# Allegro board STARRYSKY.brd (continued)
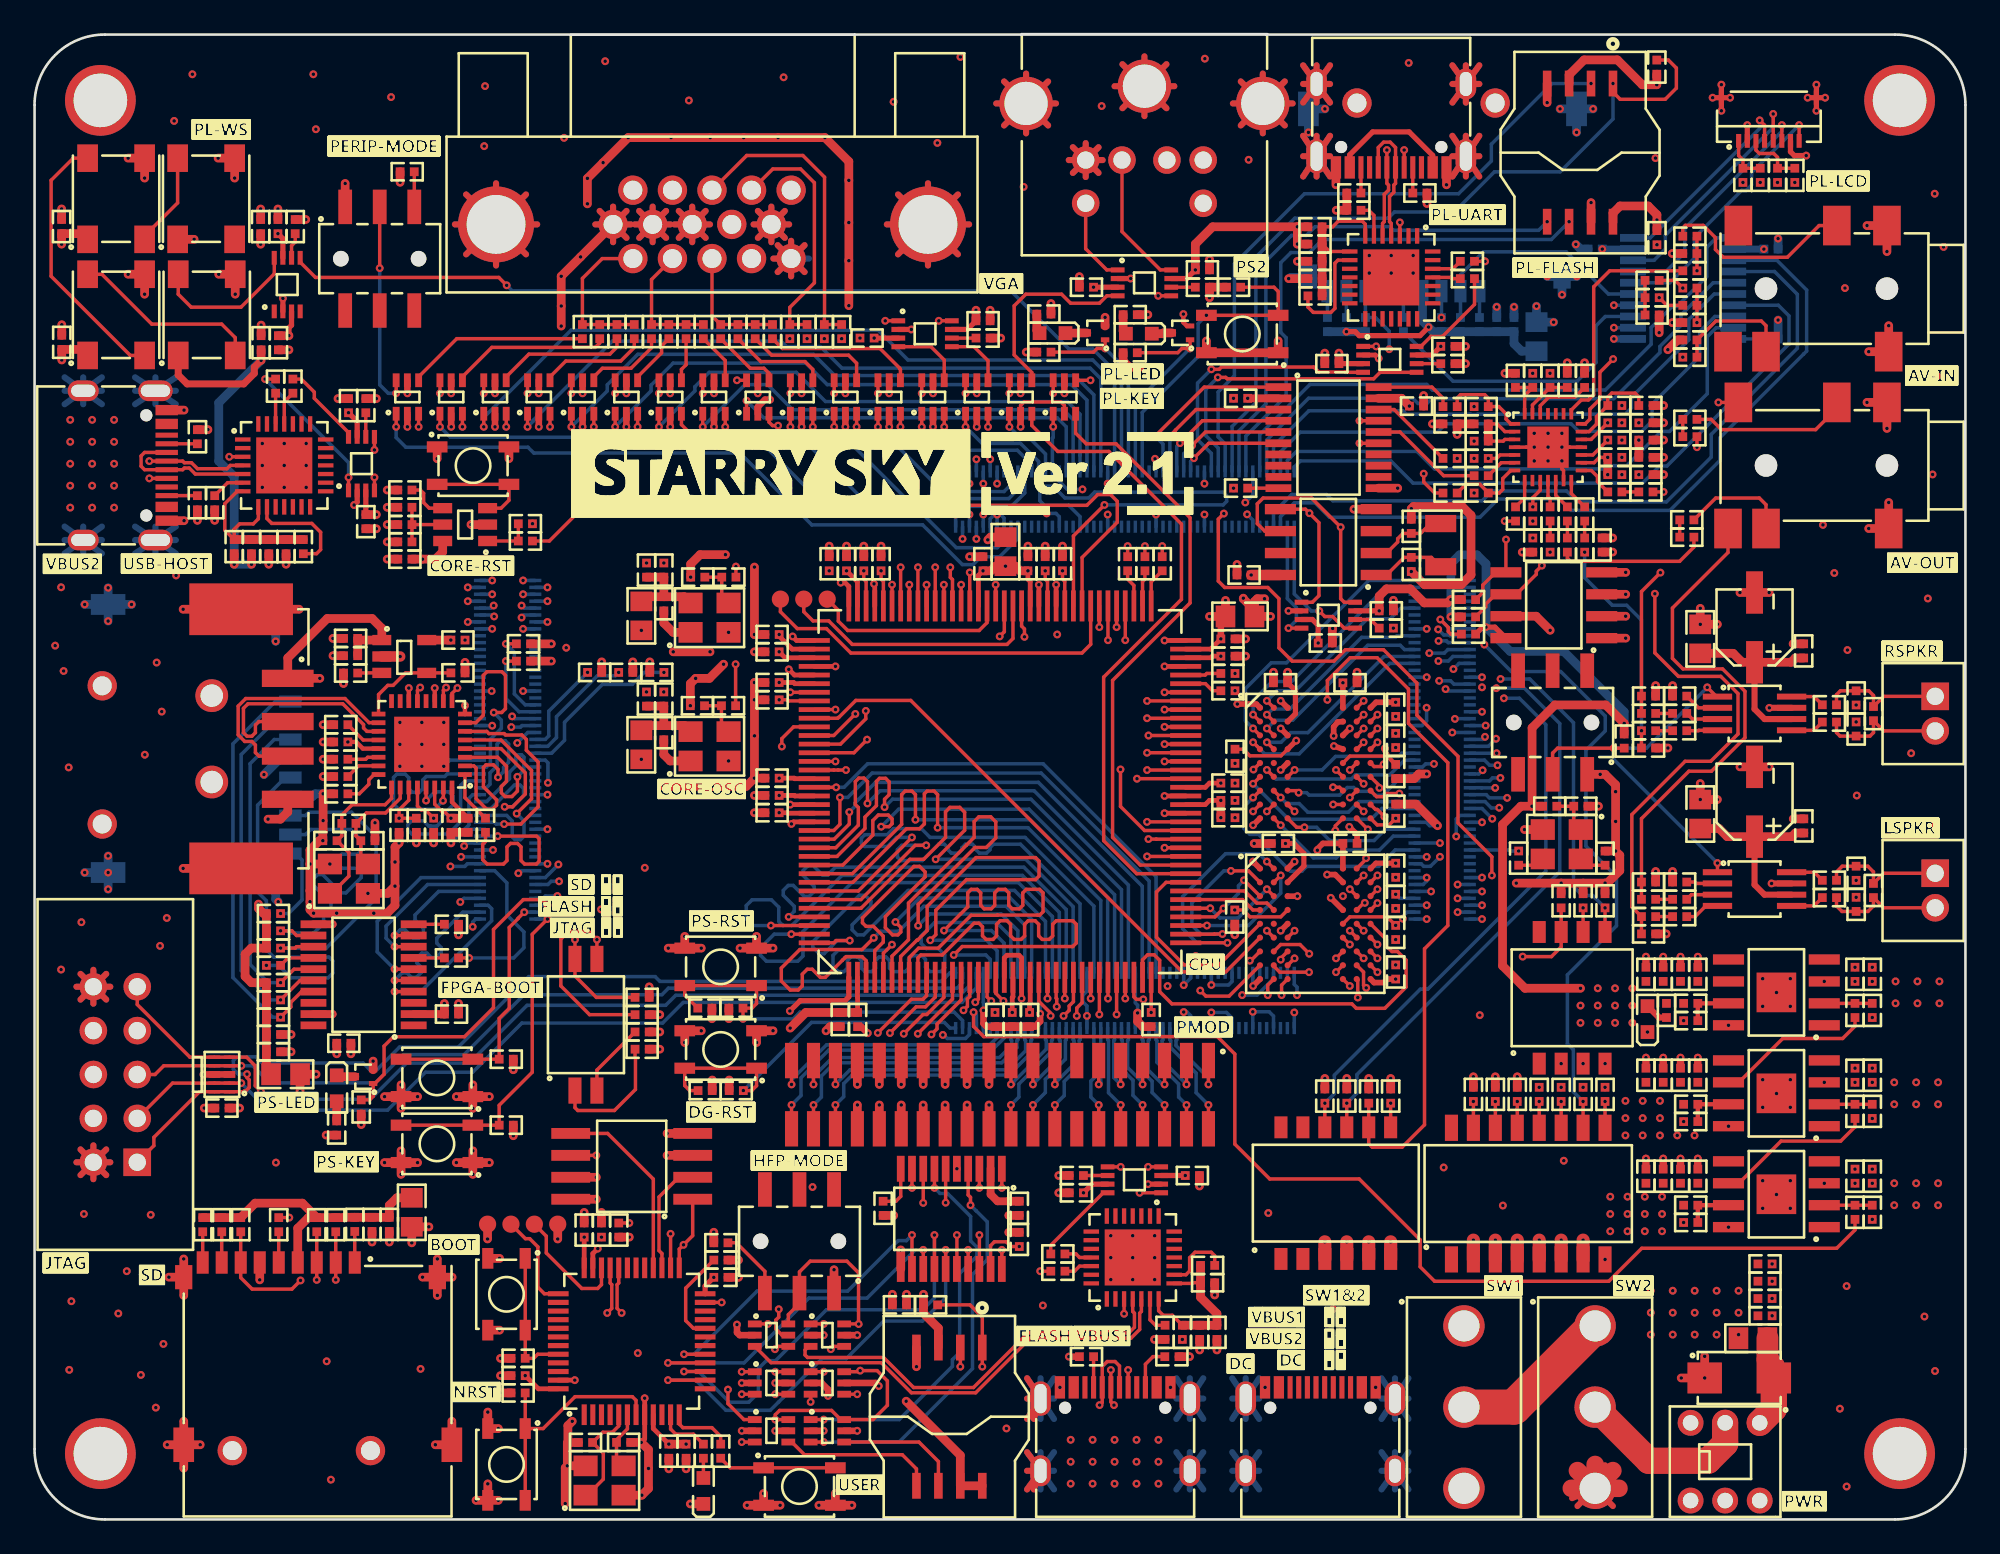
[diagram p0: board, top side]
## Routing (per net, layer and track width the routed paths; a pad name or vN(x,y) marks a point on that pad's centre or on a via; arc(x,y) is an arc through that point) (continued)
  ART03 w0.203: v1(65.4,38.88) 61.83,38.88 52.88,29.93 47.57,29.93 46.96,29.32 46.96,27.76 49.53,25.19 49.53,24.99 49.79,24.72 50.16,24.72 50.8,24.08 50.8,23.71 51.03,23.48 59.79,23.48 v1(62.86,20.41)
SOC_VGA_B0: length 29.5
  TOP w0.203: U3.61 v1(64.47,45.38) ; U37.3 v1(50.12,63.25)
  ART03 w0.203: v1(50.12,63.25) 51,62.36 55.77,62.36 61.13,57.01 61.13,53.99 61.14,53.97 61.14,48.71 v1(64.47,45.38)
SOC_VGA_B1: length 32.5
  TOP w0.203: U38.3 v1(47.58,63.25) ; U3.62 v1(65.4,45.88)
  ART03 w0.203: v1(47.58,63.25) 51.88,58.94 57.16,58.94 58.5,57.6 58.88,57.6 60.25,56.24 60.25,48.57 63.94,44.88 64.73,44.88 65.08,45.23 65.08,45.56 v1(65.4,45.88)
SOC_VGA_B2: length 34.6
  TOP w0.203: U3.63 v1(64.39,46.38) ; U39.3 v1(45.05,63.25)
  ART06 w0.203: v1(64.39,46.38) 61.76,46.38 57.53,50.61 48.89,50.61 44.9,54.6 44.9,62.64 45.05,62.79 v1(45.05,63.25)
SOC_VGA_B3: length 37.1
  TOP w0.203: U40.3 42.51,63.52 42.71,63.32 v1(43.03,63.32) ; U3.64 v1(65.4,46.88)
  ART06 w0.203: v1(43.03,63.32) 43.5,63.78 45.28,63.78 45.5,63.56 45.5,54.69 48.61,51.59 57.66,51.59 62.37,46.88 v1(65.4,46.88)
SOC_VGA_G0: length 39.6
  TOP w0.203: U34.3 v1(39.98,63.25) ; U3.57 v1(64.39,43.38)
  ART06 w0.203: v1(64.39,43.38) 63.9,43.87 60.38,43.87 55.82,48.43 47.96,48.43 42.84,53.55 42.84,59.57 39.98,62.43 v1(39.98,63.25)
SOC_VGA_G1: length 41.9
  TOP w0.203: U3.58 v1(65.4,43.88) ; v1(42.02,62.54) 41.56,62.54 41.35,62.75 38.06,62.75 37.44,63.37 U33.3
  ART06 w0.203: v1(42.02,62.54) 43.83,60.73 43.83,54.19 48.52,49.5 56.73,49.5 61.06,45.17 64,45.17 64.29,44.88 64.7,44.88 64.89,44.69 64.89,44.4 v1(65.4,43.88)
SOC_VGA_G2: length 44.9
  TOP w0.203: U3.59 v1(64.39,44.38) ; U35.3 v1(34.91,63.25)
  ART06 w0.203: v1(64.39,44.38) 60.9,44.38 56.32,48.96 48.22,48.96 43.35,53.83 43.35,60.15 41.51,61.99 41.51,62.55 40.17,63.89 35.54,63.89 v1(34.91,63.25)
SOC_VGA_G3: length 47.7
  TOP w0.203: U36.3 v1(32.37,63.25) ; U3.60 v1(65.4,44.88)
  ART06 w0.203: v1(32.37,63.25) 33.55,64.43 40.38,64.43 40.51,64.3 41.12,64.3 44.37,61.05 44.37,54.37 48.7,50.04 57.16,50.04 61.32,45.88 64.74,45.88 65.08,45.54 65.08,45.2 v1(65.4,44.88)
SOC_VGA_HS: length 22.9
  TOP w0.203: U3.65 v1(64.39,47.38) ; U26.3 v1(55.19,63.25)
  ART03 w0.203: v1(55.19,63.25) 55.64,63.25 61.73,57.16 61.73,54.42 63.77,52.38 63.77,48.01 v1(64.39,47.38)
SOC_VGA_R0: length 49.8
  TOP w0.203: v1(64.47,39.38) 64.93,39.38 64.93,39.38 U3.49 ; U29.3 v1(29.84,63.25)
  ART06 w0.203: v1(29.84,63.25) 29.84,62.79 30.09,62.53 30.09,61.62 34.84,56.88 34.84,54.24 38.4,50.68 43.29,50.68 46.09,47.88 55.52,47.88 64.02,39.38 v1(64.47,39.38)
SOC_VGA_R1: length 52.4
  TOP w0.203: U30.3 v1(27.3,63.25) ; U3.50 64.25,39.88 62.85,41.27 v1(62.85,43.42)
  ART03 w0.203: v1(27.3,63.25) 30.71,59.84 30.71,57.96 39.76,48.92 43.3,48.92 43.52,48.7 43.89,48.7 44.95,47.63 59.19,47.63 62.85,43.97 v1(62.85,43.42)
SOC_VGA_R2: length 54.9
  TOP w0.203: U31.3 v1(24.76,63.25) ; U3.51 v1(64.39,40.38)
  ART06 w0.203: v1(64.39,40.38) 64.98,39.8 64.98,39.12 64.74,38.88 63.64,38.88 55.14,47.38 45.53,47.38 44.21,48.71 43.51,48.71 43.17,49.05 38.96,49.05 v1(24.76,63.25)
SOC_VGA_R3: length 53.6
  TOP w0.203: v1(63.81,42.88) U3.56 ; U32.3 v1(22.23,63.25)
  ART03 w0.203: v1(22.23,63.25) 22.81,62.67 25.23,62.67 39.95,47.95 41.84,47.95 43.78,46 59.34,46 62.46,42.88 v1(63.81,42.88)
SOC_VGA_VS: length 26.1
  TOP w0.203: U27.3 v1(52.65,63.25) ; U3.66 v1(65.4,47.88)
  ART03 w0.203: v1(65.4,47.88) 64.64,48.64 64.64,52.6 62.27,54.97 62.27,57.36 57.7,61.93 57.7,63.27 57.07,63.9 53.3,63.9 v1(52.65,63.25)
SYS_RST: length 42
  TOP w0.203: R30.1 29.8,56.64 31.86,58.7 60.91,58.7 61.53,59.32 62.28,59.32 62.67,58.94 62.67,57.72 60.63,55.68 U3.81
USB_HOST_VBUS: length 18.6
  TOP w0.508: C94.1 C92.1 18.8,50.9 U21.1 20.1,51.59 19.54,52.15 16.94,52.15 14.66,49.87 J10.1 v1(16.51,48.69) ; R90.1 v1(16.7,44)
  ART03 w0.508: v1(16.7,44) 16.02,44.69 16.02,48.19 v1(16.51,48.69)
USB_VBUS: length 1.8
  TOP w0.203: R90.2 19.17,44 19.28,44.12 U23.22
USB_XIN: length 6.4
  TOP w0.203: X2.3 18.88,38.35 C96.1 18.6,39.57 R97.2 19.21,40.9 20.32,40.9 21.16,41.74 U23.26
USB_XOUT: length 9.4
  TOP w0.203: U23.25 20.66,41.74 20.29,41.37 18.38,41.37 17.78,40.78 R97.1 17.78,39.57 C100.1 18.19,38.6 18.19,37.24 17.19,36.24 X2.1
VGA_B: length 7
  TOP w0.203: J12.3 39.21,69.67 R119.2 R117.2 R116.2 R113.2
VGA_B0: length 8.8
  TOP w0.203: R113.1 43.28,67.78 48.94,67.78 50.07,66.65 50.07,66.62 50.12,66.57 U37.4
VGA_B1: length 7.4
  TOP w0.203: U38.4 47.58,66.93 47.11,67.4 42.66,67.4 R116.1
VGA_B2: length 5.7
  TOP w0.203: U39.4 45.05,66.57 44.6,67.02 42.04,67.02 R117.1
VGA_B3: length 4
  TOP w0.203: R119.1 41.42,66.64 42.21,66.64 42.51,66.34 U40.4
VGA_G: length 7.3
  TOP w0.203: R120.2 R121.2 R122.2 R123.2 35.71,71.77 J12.2
VGA_G0: length 2.9
  TOP w0.203: R120.1 39.98,67.08 U34.4
VGA_G1: length 2.5
  TOP w0.203: U33.4 37.44,66.57 37.71,66.84 R121.1
VGA_G2: length 3.2
  TOP w0.203: R122.1 36.29,67.93 36.29,67.53 34.91,66.14 U35.4
VGA_G3: length 4.8
  TOP w0.203: U36.4 32.37,66.14 32.87,66.64 34.52,66.64 35.71,67.82 R123.1
VGA_HS: length 3.6
  TOP w0.203: U46.5 54.38,67.88 55.19,67.07 U26.4
VGA_R: length 9.1
  TOP w0.203: R124.2 R125.2 R126.2 R127.2 31.71,71.84 32.86,72.98 J12.1
VGA_R0: length 6.3
  TOP w0.203: U29.4 29.84,66.14 30.75,67.06 33.93,67.06 34.71,67.84 R124.1
VGA_R1: length 7.8
  TOP w0.203: U30.4 27.3,66.14 28.61,67.45 33.3,67.45 33.71,67.86 R125.1
VGA_R2: length 9.2
  TOP w0.203: R126.1 32.71,68.1 32.46,67.85 26.47,67.85 24.76,66.14 U31.4
VGA_R3: length 10.6
  TOP w0.203: U32.4 22.23,66.14 24.44,68.35 R127.1
VGA_VS: length 4.2
  TOP w0.203: U46.4 51.89,67.88 52.65,67.12 U27.4
N00440: length 2.8
  TOP w0.254: R9.1 R1.2 U1.7
N86942: length 1.8
  TOP w0.203: J5.1 R49.2
N86952: length 17
  TOP w0.508: R50.1 R48.1 17.92,17.47 17.93,17.49 R49.1 C70.1 C69.1 20.53,18.18 20.97,18.62 L5.1 ; R50.1 15.5,18.31 12.77,18.31 R52.1 R53.1 R54.1 ; R50.1 15.85,17.47 15.23,16.86 J5.4
N87161: length 1.8
  TOP w0.203: J5.8 R53.2
N87165: length 1.8
  TOP w0.203: J5.9 R54.2
N88472: length 1.8
  TOP w0.203: J5.5 R51.2
N431069: length 1.8
  TOP w0.203: J9.A5 R86.2
N431077: length 1.8
  TOP w0.203: J9.B5 R89.1
N431628: length 10.6
  TOP w0.203: U22.8 12.95,57.92 12.66,57.63 11.87,57.63 11.56,57.32 R95.2 11.01,57.26 11.01,58.8 11.73,59.51 U22.7
  TOP w0.508: R103.1 C102.1 C101.1 R98.2 R95.2
N431648: length 6.2
  TOP w0.203: U22.9 13.45,57.93 13.73,57.66 16.05,57.66 16.56,57.15 16.56,56.14 16.32,55.9 R103.2
N431656: length 2
  TOP w0.203: U22.25 14.45,64.69 R100.1
N431784: length 1.8
  TOP w0.203: U22.26 R101.1
N431936: length 1.9
  TOP w0.203: U22.6 11.18,60.01 C105.1
N433168: length 22.6
  TOP w0.508: v1(12.96,35.62) 12.96,35.37 13.26,35.07 R75.1 R74.1 R72.1 12.54,33.07 12.19,32.72 12.19,31.44 12.55,31.07 R64.1 R68.1 R65.1 C86.1 C87.1 13.42,26.04 L6.1
  ART03 w0.508: v1(12.96,35.62) 14.2,36.86 14.2,42.2 v1(13.28,43.11)
  BOTTOM w0.508: v1(13.28,43.11) 14.21,44.05 J7.4
N433298: length 20.2
  BOTTOM w0.203: v1(13.42,32.07) 14.12,32.07 14.84,31.35 16.99,31.35 17.27,31.63 17.27,32.32 17.04,32.55 13.85,32.55 13.42,32.98 13.42,35.81 12.91,36.32 12.91,41.35 14.51,42.95 J7.5
N435237: length 1.8
  TOP w0.203: R84.2 U19.10
N436006: length 1.8
  TOP w0.203: R87.2 U19.7
N437148: length 2.4
  TOP w0.203: R102.2 18.8,42 19.35,42.56 19.35,42.82 19.65,43.12 U23.24
N438146: length 2.1
  TOP w0.203: U23.20 19.02,45.12 C103.1
N441316: length 2
  TOP w0.203: U23.23 18.75,43.62 R96.1
N449849: length 14.3
  TOP w0.203: R114.1 C113.1 43.71,70.16 45.14,71.58 45.14,77.37 44.34,78.17 42.73,78.17 J12.14
N450407: length 17.4
  TOP w0.203: J12.13 41.22,78.95 44.47,78.95 45.72,77.7 45.72,69.66 45.71,69.65 R118.1 C114.1
N498562: length 1.8
  TOP w0.203: R3.2 J1.A5
N498570: length 2.6
  TOP w0.203: J1.B5 64.3,8.99 64.74,9.42 R7.1
N507684: length 6.9
  TOP w0.203: SW11.2 SW11.1 40.27,2.99 R59.2
N507712: length 3.4
  TOP w0.203: U16.6 34.31,5.24 33.68,4.61 C77.1 33.68,3.51 X1.3
N507720: length 6.3
  TOP w0.203: X1.1 31.99,1.41 32.92,2.33 32.92,3.84 C75.1 32.89,5.05 33.45,5.05 33.81,5.42 U16.5
N507990: length 1.1
  TOP w0.203: R60.1 LED2.1
N508938: length 3.1
  TOP w0.203: U16.11 36.81,5.23 37.11,4.94 38.14,4.94 R60.2
N559792: length 1.1
  TOP w0.508: LED3.1 R81.2
N575792: length 4.6
  TOP w0.203: U28.2 78.25,55.94 78.9,56.58 78.9,56.77 79.2,57.08 C111.1 80.22,57.08 80.79,57.65 X3.2
N575796: length 4.4
  TOP w0.203: U28.1 78.25,54.67 79.27,55.69 C109.1 80.85,55.69 X3.1
N624567: length 2.8
  TOP w0.254: U2.7 R10.2 R15.1
N629111: length 2.8
  TOP w0.254: U4.7 R16.2 R19.1
N634293: length 5.4
  TOP w1.27: F1.1 100.3,9.24 100.67,8.87 D1.2
  TOP w1.524: SW3.1 100.67,6.41 D1.2
N645689: length 10.4
  TOP w1.524: SW3.2 97.85,4.39 96.86,3.4 93.43,3.4 SW2.2
N717871: length 11.1
  TOP w0.203: LED7.2 11.62,68.41 10.83,69.19 6.79,69.19 3.9,72.08 LED6.4
N717951: length 5.5
  TOP w0.203: LED8.4 8.28,76.21 6.37,74.3 LED9.2
N717983: length 15.5
  TOP w0.203: LED6.2 5.54,67.38 0.96,71.96 0.96,77.52 2.24,78.8 LED9.4
N774966: length 1.4
  TOP w0.203: U25.6 R106.2
N1016845: length 4.3
  TOP w0.203: C131.1 85.01,62.42 85.11,62.52 U47.3 ; R136.2 84.66,63.42 85.11,62.97 U47.2
  TOP w0.508: R136.2 C131.1
N1025881: length 2.7
  TOP w0.203: U47.28 86.25,65.06 R139.2 C140.1
N1025885: length 2.9
  TOP w0.203: C142.1 R141.2 86.7,64.51 U47.27
N1032099: length 1.8
  TOP w0.203: C136.1 88.05,59.28 U47.12
N1032103: length 1.6
  TOP w0.203: U47.11 87.6,59.22 87.72,59.1 C137.1
N1032107: length 2.2
  TOP w0.203: C138.1 90.46,60.07 90.46,60.36 90.11,60.72 U47.15
N1032111: length 1.8
  TOP w0.203: C141.1 88.95,59.38 U47.14
N1032115: length 1
  TOP w0.203: C136.2 R138.1
N1032235: length 1
  TOP w0.203: C137.2 R140.1
N1032239: length 1
  TOP w0.203: C138.2 R142.1
N1032243: length 1
  TOP w0.203: C141.2 R147.1
N1033352: length 5.1
  TOP w0.203: v1(91.05,62.48) 90.19,61.62 U47.17
  TOP w0.508: v1(92.85,62.48) R134.1
  ART03 w0.203: v1(92.85,62.48) 92.36,62.98 91.55,62.98 v1(91.05,62.48)
N1035096: length 1
  TOP w0.203: R143.1 C139.2
N1035873: length 9.2
  TOP w0.203: R143.2 97.04,63.68 97.64,63.08 103.09,63.08 104.32,64.31 J15.4
N1036255: length 1
  TOP w0.203: R137.1 C135.2
N1036291: length 6.2
  TOP w0.203: J15.5 100.22,58.74 99.83,59.13 97.31,59.13 R137.2
N1040423: length 1.8
  TOP w0.203: C154.2 96.11,36.9 96.19,36.81 U49.2
N1041149: length 11.4
  TOP w0.356: CP1.1 99.55,36.74 100.13,36.16 U49.6
  TOP w0.508: L8.1 97.5,39.99 97.97,39.53 CP1.1 101.71,39.53 101.92,39.74 C157.1
N1043510: length 2.1
  TOP w0.203: C175.2 96.3,46.98 U51.2
N1043522: length 11.4
  TOP w0.356: CP2.1 99.55,46.91 100.13,46.33 U51.6
  TOP w0.508: C178.1 101.91,49.87 101.66,49.62 CP2.1 98.83,49.62 98.32,50.13 L9.1
N1044805: length 1
  TOP w0.203: R166.2 C155.1
N1045243: length 1
  TOP w0.203: R167.2 C156.1
N1046845: length 1
  TOP w0.203: C176.1 R171.2
N1046905: length 1
  TOP w0.203: R172.2 C177.1
N1047489: length 7.4
  TOP w0.203: J18.1 107.03,37.41 C188.1 106.44,37.48 106.11,37.81 C184.2 104.63,37.81 104.3,37.48 R175.2
N1047504: length 7.2
  TOP w0.203: R177.2 104.3,35.51 104.62,35.19 C187.2 106.12,35.19 106.44,35.51 C188.2 107.03,35.41 J18.2
N1048861: length 7.4
  TOP w0.203: J20.1 107.03,47.65 C191.1 106.44,47.69 106.17,47.96 C189.2 104.52,47.96 104.3,47.74 R178.2
N1048873: length 7.4
  TOP w0.203: J20.2 107.03,45.65 C191.2 106.44,45.55 106.23,45.35 C190.2 104.5,45.35 104.3,45.55 R180.2
N1060725: length 2.8
  TOP w0.203: R26.2 R30.2 U6.1
N1060741: length 2.5
  TOP w0.203: U6.4 22.84,58.54 22.52,58.86 22.52,59.4 22.33,59.59 C39.1
N1060773: length 3.8
  TOP w0.203: R27.2 U6.5 ; R27.2 C40.1 ; R27.2 R34.1
N1061023: length 6.5
  TOP w0.203: SW6.3 SW6.4 27.46,58.99 27,58.54 U6.3
N1068465: length 15.6
  TOP w0.203: U3.89 56.63,50.99 56.29,50.65 47.33,50.65 45.97,52.01 45.06,52.01 44.52,52.54 TP2.1
N1068527: length 11.5
  TOP w0.203: TP1.1 46.52,52.63 46.52,52 47.06,51.46 54.67,51.46 55.13,51.91 U3.92
N1069993: length 2.3
  TOP w0.203: U3.73 64.63,54.27 R24.1
N1070009: length 2.1
  TOP w0.203: R22.1 64.27,54.43 64.13,54.29 U3.74
N1070035: length 2.2
  TOP w0.203: R20.1 63.27,54.43 63.63,54.07 U3.75
N1070331: length 2.2
  TOP w0.203: U3.67 67.77,48.38 68.18,47.97 R37.1
N1070335: length 2.1
  TOP w0.203: U3.68 67.76,48.88 67.85,48.97 R38.1
N1070971: length 22.1
  TOP w0.203: U3.80 61.13,50.66 60.62,50.15 47.25,50.15 45.83,51.57 44.15,51.57 43.17,52.54 TP3.1
N1075867: length 2.6
  TOP w0.203: J2.3 39.76,46.02 R5.1 C7.1
N1075871: length 5.2
  TOP w0.508: R8.2 35.39,45.95 L1.1 ; R8.2 C8.1 C9.1 ; R8.2 37.62,45.95 J2.4
N1075903: length 2.6
  TOP w0.508: R8.1 36.42,44.28 36.79,43.91 J2.1
N1076105: length 2.6
  TOP w0.203: J4.3 39.78,53.44 R13.1 C16.1
N1076109: length 5.2
  TOP w0.508: R14.2 35.39,53.41 L2.1 ; R14.2 37.6,53.41 J4.4 ; R14.2 C18.1 C17.1
N1076141: length 2.5
  TOP w0.508: J4.1 36.96,51.35 36.42,51.89 R14.1
N1077806: length 1.6
  TOP w0.203: U8.25 60.48,15.16 60.28,15.37 R46.1
N1077810: length 1.6
  TOP w0.203: U8.26 60.48,14.66 60.19,14.37 R47.1
N1077826: length 9.8
  TOP w0.203: U8.8 66.96,13.66 67,13.7 C65.1 ; C64.1 65.86,11.82 65.32,11.82 65.06,12.08 U8.7
  TOP w0.508: R56.1 C65.1 67.49,12.86 68.44,11.91 R43.2 R45.2 C64.1
N1077882: length 2.2
  TOP w0.203: U8.6 64.56,11.56 64.88,11.24 C66.1
N1077894: length 4
  TOP w0.203: U8.9 66.64,14.16 66.86,14.38 66.86,15.15 67.17,15.47 68.1,15.47 68.31,15.26 R56.2
N1078264: length 1.4
  TOP w0.203: R57.2 U15.6
N1096893: length 2.7
  TOP w0.203: U13.10 50.14,18.7 49.85,18.42 R55.2
N1118220: length 5.7
  ART06 w0.203: v1(52.57,28.05) 54.29,28.05 v1(55.59,29.35)
  BOTTOM w0.203: J24.B48 54.11,28.07 53.88,27.84 52.83,27.84 52.62,28.05 v1(52.57,28.05)
N1153235: length 9.2
  TOP w0.203: U50.7 77.02,74.98 76.85,75.15 75.46,75.15 75.14,74.83 R165.2 ; R164.2 74.95,73.4 U50.8
  TOP w0.508: R165.2 R164.2 C161.1 C160.1 R173.1
N1153239: length 6
  TOP w0.203: U50.9 75.44,72.9 75.27,72.72 75.27,70.1 75.04,69.87 74.01,69.87 73.7,70.18 R173.2
N1153317: length 1.6
  TOP w0.203: R169.1 82.04,71.83 81.97,71.9 U50.25
N1153457: length 1.8
  TOP w0.203: U50.26 82.09,72.4 R170.1
N1153581: length 2.1
  TOP w0.203: C181.1 77.23,75.78 77.52,75.48 U50.6
N1154399: length 1.5
  BOTTOM w0.203: J16.1 R144.2
N1154403: length 16.7
  TOP w0.305: v1(75.93,68.76) 76.44,68.76 76.67,68.53 80.19,68.53 v1(80.68,69.02)
  BOTTOM w0.508: J16.4 80.33,69.37 v1(80.68,69.02) 80.95,68.76 R146.1 R145.1 R144.1 C150.1 C149.1 85.63,68.06 86.07,67.63 L7.1 ; R157.1 v1(75.93,68.76) R160.1
N1154433: length 1.5
  BOTTOM w0.203: J16.8 R159.2
N1154437: length 1.5
  BOTTOM w0.203: J16.9 R160.2
N1154485: length 1.5
  BOTTOM w0.203: J16.5 R155.2
N1166259: length 3.6
  TOP w0.203: J14.3 99.63,79.26 99.83,79.07 100.66,79.07 100.88,78.85 C129.1 R133.2
N1168293: length 2.7
  TOP w0.203: C127.2 R132.2 98.88,78.7 98.63,78.95 J14.1
N1175177: length 1.8
  BOTTOM w0.203: U41.10 R128.2
N1177861: length 1.6
  TOP w0.203: R130.2 77.33,52.09 U43.6
N1178612: length 1.4
  TOP w0.203: R174.2 U52.6
N1182217: length 1.5
  TOP w0.203: J19.B5 R181.1
N1182225: length 1.5
  TOP w0.203: J19.A5 R179.2
N1236156: length 1.4
  TOP w0.203: U46.6 R131.2
N1258808: length 5.8
  TOP w0.203: U23.17 19.91,47.75 20.45,48.28 20.76,48.28 21.48,49 U21.4 R93.2
N1261388: length 1.4
  TOP w0.203: R94.1 19.19,49 19.19,49 U21.3
N1264101: length 3
  TOP w0.203: U23.1 24.91,41.78 R99.2
N1283602: length 7.1
  TOP w0.203: J17.5 100.22,69.1 99.95,69.37 97.32,69.37 R156.2 R158.2
N1283632: length 11.4
  TOP w0.203: R161.2 95.4,74.76 95.55,74.91 96.58,74.91 97.29,74.2 97.29,73.51 97.74,73.06 101.45,73.06 103.29,74.9 J17.4
N1283819: length 4.3
  TOP w0.203: v1(96.22,69.28) C145.2 C146.1
  ART03 w0.203: v1(95.4,67.28) 95.4,68.46 v1(96.22,69.28)
N1283976: length 4.9
  TOP w0.203: v1(96.22,72.28) C148.1 R161.1 ; v1(95.4,71.28) 94.96,71.72 R154.1
  ART03 w0.203: v1(96.22,72.28) 95.72,71.78 95.72,71.6 v1(95.4,71.28)
N1284993: length 2
  TOP w0.203: R152.2 C143.2 R154.2
N1291698: length 1.8
  TOP w0.203: R176.2 U53.10
N1323900: length 5.8
  TOP w0.203: C192.1 89.86,37.87 X4.4 X4.1 89.09,40.34 R184.2 R183.2
N1324938: length 1.5
  TOP w0.203: X4.3 86.93,37.87 R185.1
N1330493: length 7.4
  TOP w0.203: SW13.1 31.28,23.84 31.44,23.67 33.56,23.67 34.78,24.89 34.78,26.71 34.76,26.74 R71.2
N1330497: length 4.3
  TOP w0.203: SW13.2 32.55,26.01 R73.2
N1342417: length 1.4
  TOP w0.203: U20.6 R91.2
N1355350: length 1.1
  TOP w0.508: Q1.3 17.56,25.63 LED3.2
N1362704: length 1.2
  TOP w0.508: LED4.1 58.01,68.83 R104.2
N1362750: length 1.2
  TOP w0.508: LED4.2 60.42,68.67 60.43,68.69 Q2.3
N1364060: length 1.2
  TOP w0.508: LED5.1 63.01,68.8 R110.2
N1364098: length 1.2
  TOP w0.508: Q3.3 65.35,68.69 65.3,68.64 LED5.2
N1388907: length 4.1
  TOP w0.203: SW8.3 42.27,14.36 40.62,16.01 R44.2
N1391083: length 2
  TOP w0.203: R105.2 SW17.3
N1427381: length 1.5
  TOP w0.203: U42.6 14.87,73.73 15.09,73.94 R129.2
N1454879: length 2.8
  TOP w0.203: U1.2 R4.2 R6.2
N1456438: length 2.8
  TOP w0.203: R12.2 R11.2 U2.2
N1456943: length 2.8
  TOP w0.203: R18.2 R17.2 U4.2
N9731310: length 9.5
  TOP w2.032: SW2.1 85.63,6.5 SW1.2
N9740650: length 1.4
  TOP w0.356: LED1.1 94.02,29.05 R2.1
N9768250: length 5.5
  TOP w0.203: R63.1 37.69,13.39 37.69,11.51 38.14,11.06 U16.20

## Copper pours and planes (outline as drawn; the poured copper is in the pictures)
5V_DC on TOP: 81.1,5.87 82,4.98 90.06,4.98 92.21,2.83 92.21,0.82 91.9,0.51 69.48,0.51 68.68,1.31 68.68,8.53 69.82,9.68 80.52,9.68 81.1,9.1 ; 1 cut-out
5V_IN on TOP: 107.04,17.73 110.5,17.73 110.75,17.99 110.75,21.14 110.5,21.39 102.61,21.39 102.24,21.02 102.24,19.1 102.51,18.83 102.51,18.8 102.64,18.68 106.67,18.68 106.87,18.48 106.87,17.9
5V_IN on TOP: 107.04,23.57 110.5,23.57 110.75,23.82 110.75,26.97 110.5,27.23 102.61,27.23 102.24,26.86 102.24,24.94 102.51,24.67 102.51,24.64 102.64,24.52 106.67,24.52 106.87,24.31 106.87,23.74
5V_IN on TOP: 107.08,29.44 110.53,29.44 110.78,29.69 110.78,32.84 110.53,33.1 102.64,33.1 102.28,32.73 102.28,30.8 102.55,30.54 102.55,30.51 102.67,30.39 106.7,30.39 106.91,30.18 106.91,29.61
5V_IN on TOP: 99.97,11.47 99.32,11.47 99.15,11.31 99.15,7.52 98.24,6.61 93.51,6.61 92.72,7.39 92.72,14.64 93.22,15.14 99.92,15.14 100,15.05 100,11.5
5V_IN on ART03: 96.66,39.36 95.03,40.98 95.03,56.45 98.13,59.55 98.13,71.33 95.95,73.5 81.65,73.5 79.56,71.4 66.55,71.4 66.53,71.39 46.34,71.39 41.37,66.42 21.17,66.42 20.4,65.65 20.4,63.99 30.3,54.1 30.3,51.6 29.43,50.73 13.59,50.73 12.77,51.55 12.77,63.96 12.14,64.59 0.94,64.59 0.65,64.89 0.65,82.86 3.01,85.22 108.87,85.22 111.07,83.02 111.07,82.19 111.25,82.01 111.25,8.57 110.88,8.2 67.45,8.2 66.61,9.04 66.61,11.17 66.61,11.17 66.61,17.83 66.61,19.01 68.41,20.81 96.14,20.81 96.66,21.33
5V_VBUS1 on TOP: 58.76,0.52 58.29,0.99 58.29,8.76 58.61,9.08 67.84,9.08 68.46,8.47 68.46,1.04 67.93,0.52 ; 1 cut-out
5V_VBUS1 on ART06: 83.67,13.45 84.62,12.5 84.62,1.41 83.74,0.53 57.97,0.53 57.48,1.02 57.48,12.92 58.01,13.45
5V_VBUS2 on TOP: 1.35,55.86 0.51,56.71 0.51,65.5 0.55,65.5 1.2,66.15 8.3,66.15 8.91,65.55 8.91,56.5 8.27,55.86 ; 1 cut-out
5V_VBUS2 on ART03: 4.06,0.51 3.58,0.54 3.1,0.64 0.64,3.1 0.56,3.46 0.52,3.82 0.52,63.76 1.03,64.27 12,64.27 12.52,63.75 12.52,15.7 15.61,12.61 30.79,12.61 34.02,9.38 40.82,9.38 41.71,8.48 41.71,5.68 42.26,5.13 67.88,5.13 70.45,7.7 110.87,7.7 111.16,7.41 111.16,3.25 108.51,0.61 107.51,0.61 107.51,0.61 107.41,0.51
GND on TOP: 4.06,0.51 1.55,1.55 0.51,4.06 0.51,81.89 1.55,84.4 4.06,85.44 107.7,85.44 110.21,84.4 111.25,81.89 111.25,4.06 110.21,1.55 107.7,0.51 ; 52 cut-outs
GND on BOTTOM: 4.06,0.51 1.55,1.55 0.51,4.06 0.51,81.89 1.55,84.4 4.06,85.44 107.7,85.44 110.21,84.4 111.25,81.89 111.25,4.06 110.21,1.55 107.7,0.51 ; 42 cut-outs
GND on GND02, GND05, GND07: 4.06,0.51 1.55,1.55 0.51,4.06 0.51,81.89 1.55,84.4 4.06,85.44 107.7,85.44 110.21,84.4 111.25,81.89 111.25,4.06 110.21,1.55 107.7,0.51
GND on ART03: 4.06,0.51 1.55,1.55 0.51,4.06 0.51,81.89 1.55,84.4 4.06,85.44 107.7,85.44 110.21,84.4 111.25,81.89 111.25,4.06 110.21,1.55 107.7,0.51 ; 26 cut-outs
VCC_0V9 on TOP: 91.99,21.31 98.99,21.31 99.24,21.57 99.24,25.42 98.99,25.67 91.99,25.67 91.73,25.42 91.73,21.57
VCC_0V9 on ART03: 96.31,21.91 95.69,21.3 87,21.3 86.38,21.91 86.38,47.28 81.77,51.9 79.49,51.9 77.5,49.91 70.62,49.91 69.73,50.79 69.73,54.72 71.02,56.01 85.88,56.01 88.9,52.99 88.9,52.98 90.97,50.91 92.61,49.27 94.69,47.19 94.69,40.78 96.31,39.16
VCC_1V8 on TOP: 90.72,16.21 98.98,16.21 99.24,16.47 99.24,19.59 98.98,19.84 90.72,19.84 90.46,19.59 90.46,16.47
VCC_1V8 on PWR04: 79.17,76.4 79.18,76.39 82.92,76.39 84.89,74.42 84.89,68.61 79.82,63.54 79.82,61 91.15,49.67 91.15,34.26 95.76,29.66 95.76,15.28 93.12,12.64 47.34,12.64 38.01,21.97 19.13,21.97 14.3,26.8 14.3,73.39 14.75,73.84 14.75,74.64 16.51,76.4 ; 1 cut-out
VCC_1V8 on ART06: 91.25,83.92 101.15,83.92 102.48,82.59 102.48,68.14 101.78,67.44 84.52,67.44 83.66,66.58 80.38,66.58 79.33,67.63 79.33,82.23 81.03,83.93 91.25,83.93
VCC_3V3 on TOP: 99.23,31.28 98.97,31.53 89.43,31.53 89.18,31.28 89.18,27.58 89.43,27.33 98.99,27.33 99.23,27.56
VCC_3V3 on PWR04: 4.06,0.51 1.55,1.55 0.51,4.06 0.51,81.89 1.55,84.4 4.06,85.44 107.7,85.44 110.21,84.4 111.25,81.89 111.25,4.06 110.21,1.55 107.7,0.51 ; 1 cut-out
VCC_3V3 on ART06: 4.06,0.51 1.55,1.55 0.51,4.06 0.51,81.89 1.55,84.4 4.06,85.44 107.7,85.44 110.21,84.4 111.25,81.89 111.25,4.06 110.21,1.55 107.7,0.51 ; 36 cut-outs
VDD on PWR04: 43.28,55.53 69.13,55.53 71.43,53.23 71.43,40.72 70.45,39.74 67.63,39.74 66.16,38.26 66.16,34.09 64.22,32.15 64.22,30.76 63.55,30.09 57.43,30.09 57.05,29.71 57.05,29.37 56.64,28.96 45.93,28.96 45,28.03 43.66,28.03 42.66,29.03 42.66,54.91
VDDIO on BOTTOM: 55.9,55.2 56.22,55.52 68.41,55.52 69.16,54.77 69.16,41.56 68.6,41 62.94,41 59.68,44.27 47.43,44.27 45.43,42.26 45.43,39.76 44.71,39.05 41.84,39.05 41.2,39.69 41.2,40.53 41.2,40.53 41.2,52.08 44.32,55.2
AUD_GND on PWR04: 106.22,36.1 103.55,33.43 92.74,33.43 91.48,34.69 91.48,50 86.03,55.45 86.01,55.45 80.23,61.23 80.23,63.33 85.28,68.39 88.94,68.39 94.68,74.12 103.7,74.12 104.89,75.31 106.92,75.31 107.63,74.6 107.63,58.06 106.22,56.65

## Text on the board
User.6: FIGURE | SIZE | 8.0 | 27.56 | 35.43 | 39.37 | 43.31 | 51.18 | 70.87 | 98.43 | 122.05 | 133.86 | 55.12x27.56 | 66.93x27.56 | DRILL CHART: TOP to BOTTOM | ALL UNITS ARE IN MILS | PLATED | QTY | 1494 | 8 | 12 | 20 | 21 | 6 | 3 | 4 | 2
User.8: EAR_OUT | AV_IN | VBUS2 | USB_HOST | MIC | BOOT | SD | JTAG | QSPI | NAND | ON  OFF | ON  ON | OFF OFF | OFF ON | SPKR | PS_RST | DG_RST | PL_LED | PL_KEY | DIP_OSC | NRST | PERIP-SW | CORE_RST | USER | HFP-SW | FLASH | VBUS1 | VGA | PL_UCLK | DC | PMOD | SW1 | SW2 | PS2 | PS_KEY | PS_WS | WIFI_ANA | PS_LED | PL_WS | PS_SD | PWR | WIFI-SW
